# KiCad board CanardBoard.kicad_pcb (continued)
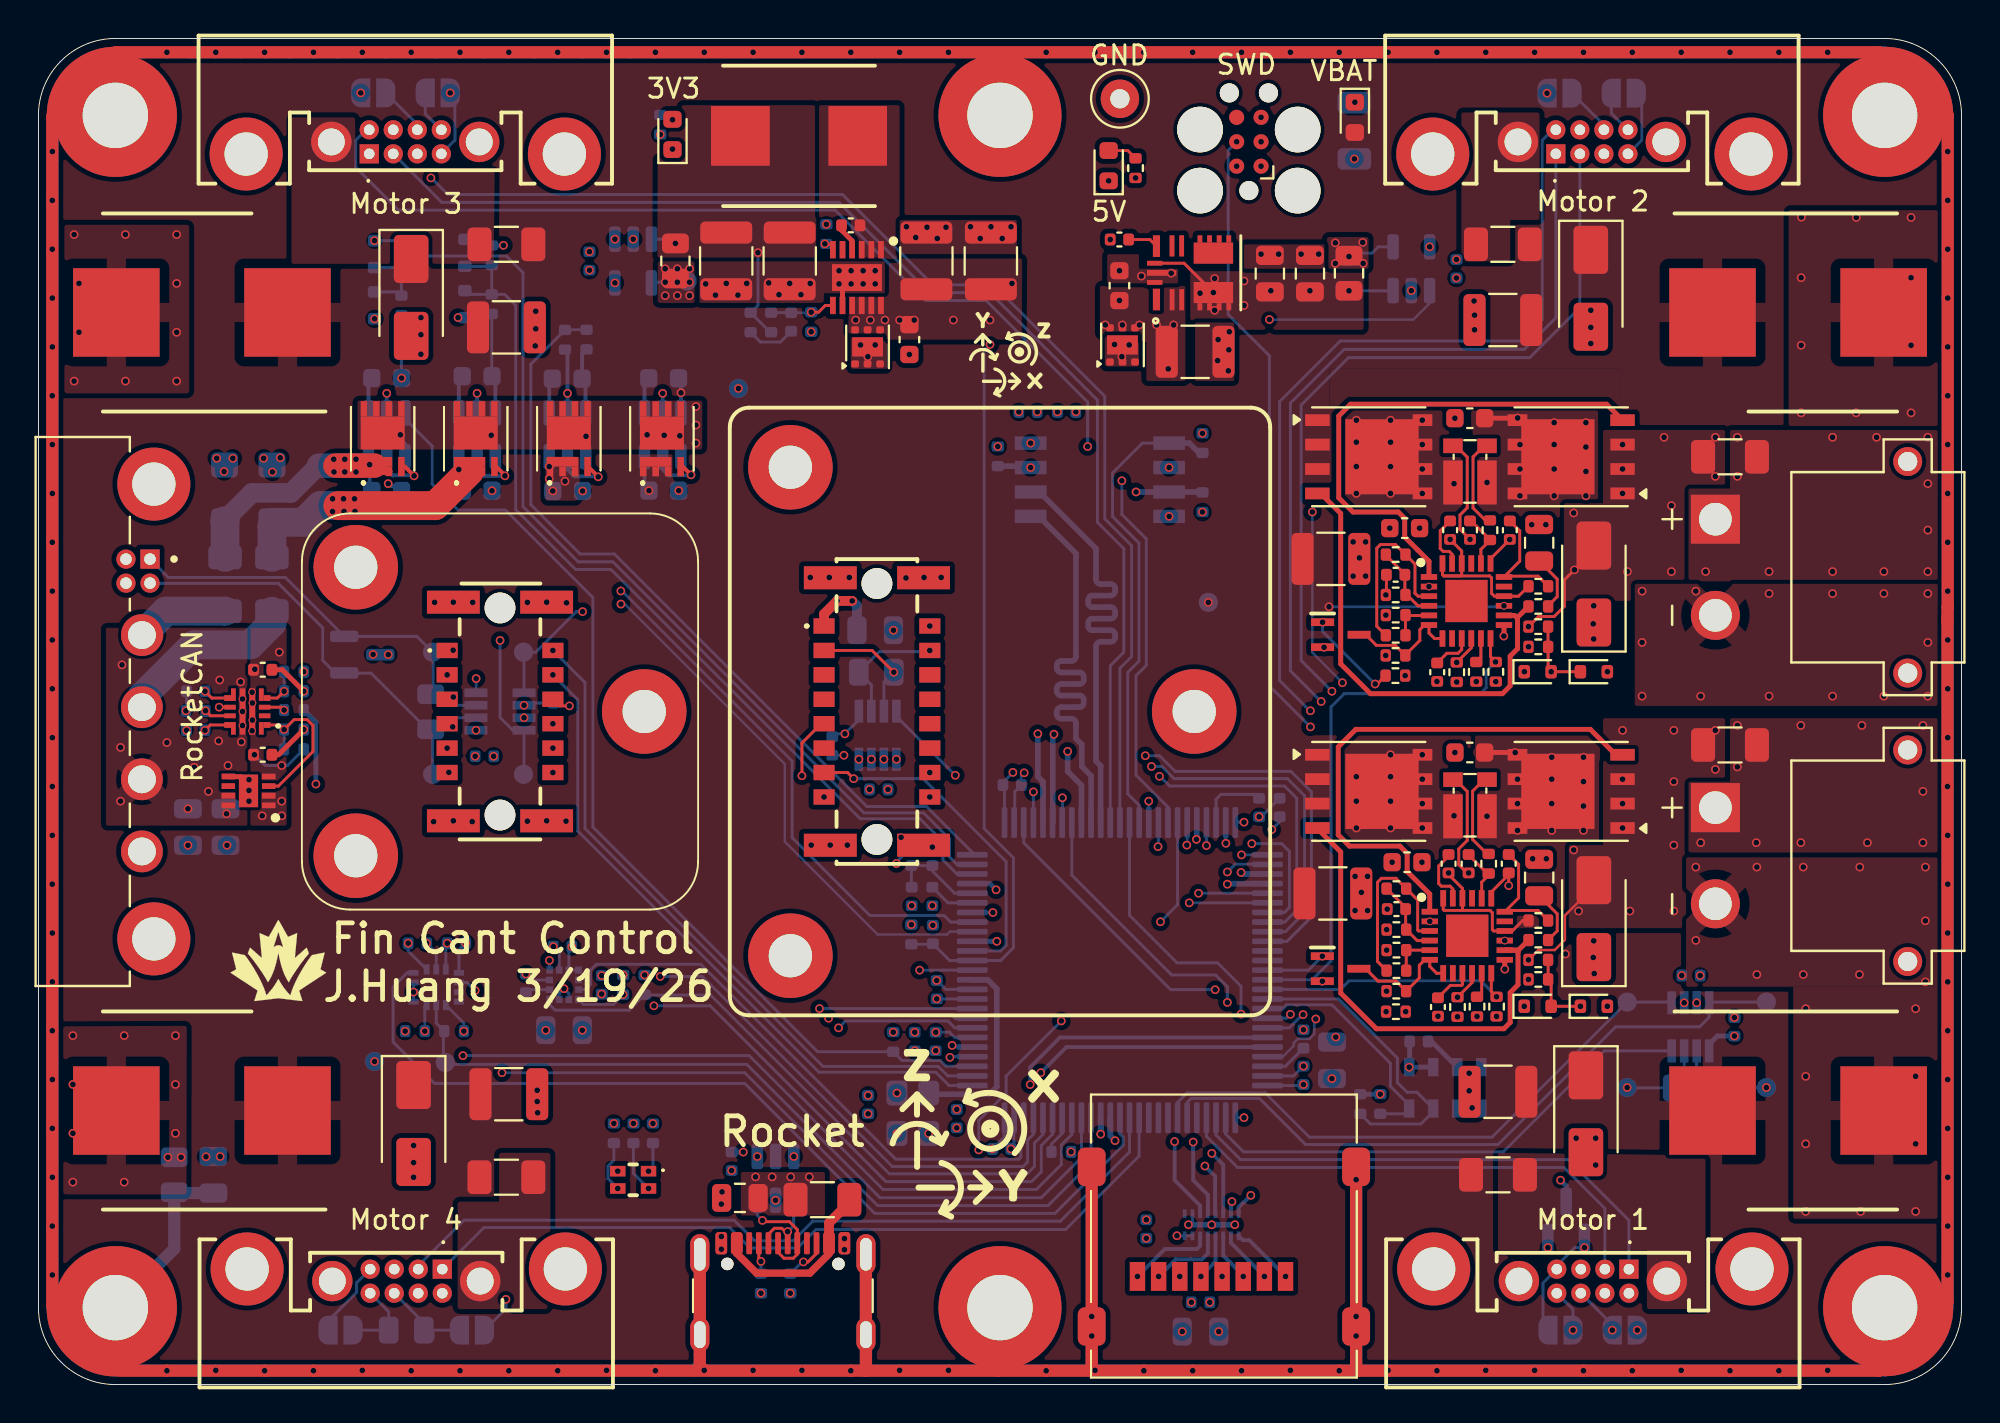
[diagram p0: board, top side]
## Library data of the parts (continued)
J3 J4 = -: MF: AMASS
J5-J8 = -: Datasheet: https://www.harwin.com/api/download/?document=https://content.harwin.com/m/e57e36e8702f475a/original/DRG-02904-Technical-Drawing-Datasheet-G125-MHX0805M4-1AD1ADP-pdf.pdf; Height: 5.5; Mouser Part Number: 855-GMH1085M41AD1ADP; Mouser Price/Stock: https://www.mouser.co.uk/ProductDetail/Harwin/G125-MH10805M4-1AD1ADP?qs=XeJtXLiO41Rq1iCnqnOn8g%3D%3D; Manufacturer_Name: Harwin; Manufacturer_Part_Number: G125-MH10805M4-1AD1ADP
J9 = -: Datasheet: https://www.usb.org/sites/default/files/documents/usb_type-c.zip; Description: USB 2.0-only 16P Type-C Receptacle connector; LCSC Part #: C165948; ki_fp_filters: USB*C*Receptacle*
J10 = -: Datasheet: https://content.harwin.com/m/91a65d72bc24bdea/original/DRG-03150-Technical-Drawing-Datasheet-G125-MH1XXM4-XXAD000P-pdf.pdf; Description: 4+4 Pos. Male Horizontal Throughboard Conn. Screw-Lok Board Mount
J11 = -: Datasheet: http://www.phoenixcontact.com/gb/produkte/1374028; Height: 6.25; Mouser Part Number: 651-1374028; Mouser Price/Stock: https://www.mouser.co.uk/ProductDetail/Phoenix-Contact/1374028?qs=2SLPxufLcgDRo13N6W0UHQ%3D%3D; Manufacturer_Name: Phoenix Contact; Manufacturer_Part_Number: 1374028
J12 = -: Datasheet: http://www.phoenixcontact.com/gb/produkte/1374027; Height: 6.25; Mouser Part Number: 651-1374027; Mouser Price/Stock: https://www.mouser.co.uk/ProductDetail/Phoenix-Contact/1374027?qs=2SLPxufLcgCua31QCG%252BC9g%3D%3D; Manufacturer_Name: Phoenix Contact
JP1-JP8 = -: Description: Solder Jumper, 2-pole, open; ki_fp_filters: SolderJumper*Open*
L1 = -: Datasheet: https://bourns.com/docs/Product-Datasheets/SRP7050WA.pdf; Description: Inductor, small symbol; MPN: SRP7050WA-4R7M; LCSC Part #: C19947706; ki_fp_filters: Choke_* *Coil* Inductor_* L_*
Q1-Q4 = -: Datasheet: https://www.vishay.com/docs/75255/sir626dp.pdf
Q5 Q6 = -: Datasheet: https://www.onsemi.com/pub/Collateral/2N7002W-FCS-D.PDF; Description: ESD Protected; Low RDS(on); Small Footprint Surface Mount Package; RoHS Compliant; Manufacturer_Name: onsemi; LCSC Part #: C232391
Q7-Q10 = -: Datasheet: https://jlcpcb.com/api/file/downloadByFileSystemAccessId/8602876373081858048; LCSC Part #: C7543835
R1 R2 R8 R14 R16 R33 R34 R37 R38 R41 R42 R47-R49 = -: Description: Resistor, small US symbol; LCSC Part #: C144807; ki_fp_filters: R_*
R3 R72 R73 = -: Description: Resistor, small US symbol; LCSC Part #: C226996; ki_fp_filters: R_*
R4 R5 R27 R28 = -: Description: Resistor, small US symbol; LCSC Part #: C144808; ki_fp_filters: R_*
R6 R7 R22 R24 = -: Description: Resistor, small US symbol; LCSC Part #: C144773; ki_fp_filters: R_*
R9 = -: Description: Resistor, small US symbol; LCSC Part #: C229719; ki_fp_filters: R_*
R13 R15 R17 R19 R21 R23 R35 R36 R39 R40 R50 R52 R54-R56 R59 R61 R67 = -: Description: Resistor, small US symbol; LCSC Part #: C144809; ki_fp_filters: R_*
R18 R20 = -: Description: Resistor, small US symbol; LCSC Part #: C227034; ki_fp_filters: R_*
R25 R26 = -: Description: Resistor, small US symbol; LCSC Part #: C226739; ki_fp_filters: R_*
R29 R30 = -: Datasheet: https://www.vishay.com/docs/30332/wskw0612.pdf; Description: Shunt resistor with Kelvin connections, US symbol; MPN: WSKW06121L000FEA; LCSC Part #: C1517439; ki_fp_filters: R_*Shunt*
R31 R32 = -: Description: Resistor, small US symbol; LCSC Part #: C144805; ki_fp_filters: R_*
R43 R44 R65 = -: Description: Resistor, small US symbol; LCSC Part #: C727984; ki_fp_filters: R_*
R45 R46 = -: Description: Resistor, small US symbol; LCSC Part #: C144745; ki_fp_filters: R_*
R51 R53 R68 = -: Description: Resistor, small US symbol; LCSC Part #: C226835; ki_fp_filters: R_*
R57 = -: Description: Resistor, small US symbol; LCSC Part #: C227006; ki_fp_filters: R_*
R58 = -: Description: Resistor, small US symbol; LCSC Part #: C416567; ki_fp_filters: R_*
R60 R66 = -: Description: Resistor, small US symbol; ki_fp_filters: R_*
R62 = -: Description: Resistor, small US symbol; LCSC Part #: C278596; ki_fp_filters: R_*
R63 R64 R69 R74 R75 = -: Description: Resistor, small US symbol; LCSC Part #: C144789; ki_fp_filters: R_*
R70 R71 = -: Description: Resistor, small US symbol; LCSC Part #: C728267; ki_fp_filters: R_*
R76 = -: Description: Resistor, small US symbol; LCSC Part #: C228604; ki_fp_filters: R_*
TP1-TP15 = -: Description: test point; ki_fp_filters: Pin* Test*
U1 = -: Datasheet: https://www.st.com/resource/en/datasheet/stm32h733vg.pdf; Description: STMicroelectronics Arm Cortex-M7 MCU, 1024KB flash, 564KB RAM, 550 MHz, 1.71-3.6V, 82 GPIO, LQFP100; ki_fp_filters: LQFP*14x14mm*P0.5mm*
U2 = -: Datasheet: https://www.te.com/commerce/DocumentDelivery/DDEController?Action=srchrtrv&DocNm=MS5611-01BA03&DocType=Data+Sheet&DocLang=English; Description: Barometric pressure sensor, 10cm resolution, 10 to 1200 mbar, I2C and SPI interface up to 20MHz, LGA-8; ki_fp_filters: LGA*3x5mm*P1.25mm*
U3 U23 = -: Datasheet: https://www.ti.com/lit/ds/symlink/tvs3300.pdf; Description: Flat-Clamp Surge Protection Device. 33Vrwm, WSON-6; LCSC Part #: C2863624; ki_fp_filters: WSON*1EP*2x2mm*P0.65mm*EP1x1.6mm*
U4 U5 = -: Datasheet: https://www.ti.com/lit/ds/symlink/lm74910-q1.pdf?ts=1695369238693&ref_url=https%253A%252F%252Fwww.ti.com%252Fproduct%252FLM74910-Q1%253FkeyMatch%253DLM74910QRGERQ1%2526tisearch%253Dsearch-everything%2526usecase%253DOPN-ALT; Description: Power Management Specialized - PMIC Automotive ideal diode with circuit breaker, 200-kHz ACS and under- and overvoltage protection; Manufacturer_Name: Texas Instruments; Manufacturer_Part_Number: LM74910QRGERQ1
U6 U13 U16 = -: Datasheet: https://www.ti.com/lit/gpn/tcan3413; Height: 1.1; Mouser Part Number: 595-TCAN3413DDFR; Mouser Price/Stock: https://www.mouser.co.uk/ProductDetail/Texas-Instruments/TCAN3413DDFR?qs=HFfMDpzxxd24T7a%252BDNN43w%3D%3D; Manufacturer_Name: Texas Instruments
U7 = -: Datasheet: https://www.st.com/resource/en/datasheet/usblc6-2.pdf; Description: Very low capacitance ESD protection diode, 2 data-line, SOT-23-6; LCSC Part #: C7519; ki_fp_filters: SOT?23*
U8 = -: Datasheet: https://www.mxic.com.tw/Lists/Datasheet/Attachments/8906/MX25L25645G,%203V,%20256Mb,%20v2.0.pdf; Height: 2.16; Mouser Part Number: 95-25L25645GM2I0TR; Mouser Price/Stock: https://www.mouser.co.uk/ProductDetail/Macronix/MX25L25645GM2I-08G-TR?qs=mELouGlnn3ePrySf7raZ7g%3D%3D; Manufacturer_Name: Macronix; Manufacturer_Part_Number: MX25L25645GM2I-08G-TR
U9-U12 = -: Datasheet: http://www.ti.com/lit/gpn/LM74700-Q1; Description: Low Iq reverse battery protection ideal diode controller, SOT-23-6; ki_fp_filters: SOT?23*
U14 = -: Datasheet: https://www.ti.com/lit/ds/symlink/tps25947.pdf?ts=1770099009011&ref_url=https%253A%252F%252Fwww.ti.com%252Fproduct%252FTPS25947%253FkeyMatch%253DTPS25947%2526tisearch%253Duniversal_search%2526usecase%253DGPN-ALT; Height: 1; Mouser Part Number: 595-TPS25210LRPWR; Mouser Price/Stock: https://www.mouser.co.uk/ProductDetail/Texas-Instruments/TPS25210LRPWR?qs=QNEnbhJQKvbqyY4uolLfgw%3D%3D; Manufacturer_Name: Texas Instruments; Manufacturer_Part_Number: TPS25210LRPWR; LCSC Part #: C3662789
U15 = -: Datasheet: https://www.st.com/resource/en/datasheet/lsm303agr.pdf
U17 = -: Datasheet: https://www.ti.com/lit/ds/symlink/lmr51460-q1.pdf?ts=1731570203033; LCSC Part #: C41802645
U18 = -: Datasheet: https://www.ti.com/lit/gpn/tpsm33606-q1; ki_fp_filters: RDN0011A_TEX
U19 U20 = -: LCSC Part #: C122882
U21 = -: Datasheet: https://mm.digikey.com/Volume0/opasdata/d220001/medias/docus/6621/enDM00983034.pdf?_gl=1*1v5xhdh*_up*MQ..*_gs*MQ..&gclid=Cj0KCQjwgpzIBhCOARIsABZm7vEsxUM6jH7NSHftoW1PrpktXheKX9B3-DQ0JgPwKWKBZiCby1HjBsEaAmwGEALw_wcB&gclsrc=aw.ds&gbraid=0AAAAADrbLlju8MO68aCcF7i-slgdbl9CU; ki_fp_filters: LGA-14L_2p5X3p0X0p86_STM LGA-14L_2p5X3p0X0p86_STM-M LGA-14L_2p5X3p0X0p86_STM-L
U22 = -: Datasheet: https://www.st.com/resource/en/datasheet/emif06-msd02n16.pdf; LCSC Part #: C5267594
U24 = -: Datasheet: http://www.ti.com/lit/gpn/tps22975; Description: 5.7V, 6A, 16m Load Switch with Adjustable Rise Time & Optional QOD for Cost-Conscious Applications
X1 = -: Datasheet: http://www.abracon.com/Oscillators/ASV.pdf; Description: 3.3V CMOS SMD Crystal Clock Oscillator, Abracon; LCSC Part #: C437121; ki_fp_filters: Oscillator*SMD*Abracon*ASE*3.2x2.5mm*

## Footprints (pads in the part's own frame, mm; a bottom-side part is the same pattern mirrored in y, then rotated)
2N7002W
  rect 1.2x0.4 smd: 1(-0.95,0.65) 2(-0.95,-0.65) 3(0.95,0)
1374027
  round 1.6 hole 1.6 unplated: (-5.385,0) (5.385,0)
  rect 0.8x1.1 smd: A1(-3.175,-2.75) A2(-1.905,-2.75) A3(-0.635,-2.75) A4(0.635,-2.75) A5(1.905,-2.75) A6(3.175,-2.75) B1(-3.175,2.75) B2(-1.905,2.75) B3(-0.635,2.75) B4(0.635,2.75) B5(1.905,2.75) B6(3.175,2.75)
  round 4.4 hole 2.25: MH1(0,7.5) MH2(-7.5,-7.5) MH3(7.5,-7.5)
  rect 1.2x2.75 smd: MP1(-5.685,-2.425) MP2(5.685,-2.425) MP3(-5.685,2.425) MP4(5.685,2.425)
A786MW227M1HLAV011
  rect 4.5x4.6 smd: 1(-4.45,0) 2(4.45,0)
AMASS_XT30PW-M
  round 2.55 hole 1.7: N(2.5,-10)
  rect 2.55x2.55 hole 1.7: P(-2.5,-10)
  round 1.508 hole 1: S1(5.5,0) S2(-5.5,0)
C_0402_1005Metric
  rrect 0.56x0.62 smd: 1(-0.48,0) 2(0.48,0)
C_0603_1608Metric
  rrect 0.9x0.95 smd: 1(-0.775,0) 2(0.775,0)
C_0805_2012Metric
  rrect 1x1.45 smd: 1(-0.95,0) 2(0.95,0)
C_1210_3225Metric
  rrect 1.15x2.7 smd: 1(-1.475,0) 2(1.475,0)
connector_Harwin_G125-MH104M4-04AD000P
  round 3.8 hole 2.25: (-11.825,3.7) (11.825,3.7)
  rect 1x1 hole 0.6: 1(-7.925,3.5)
  round 1 hole 0.6: 2(-6.675,3.5) 3(-7.925,2.25) 4(-6.675,2.25)
  round 2.175 hole 1.45: A(-3.975,3.08) B(-0.225,3.08) C(3.525,3.08) D(7.275,3.08)
D_SMA
  rrect 2.5x1.8 smd: 1(-2,0) 2(2,0)
D_SMF
  rrect 1.3x1.4 smd: 1(-1.45,0) 2(1.45,0)
D_SOD-523
  rrect 0.6x0.7 smd: 1(-0.7,0) 2(0.7,0)
EAST1616RGBB2
  rect 0.8x0.55 smd: 1(-0.8,-0.45) 2(-0.8,0.45) 3(0.8,0.45) 4(0.8,-0.45)
EMIF06MSD02N16
  rect 0.2x0.45 smd: 1(-1.4,-0.375) 2(-1,-0.375) 3(-0.6,-0.375) 4(-0.2,-0.375) 5(0.2,-0.375) 6(0.6,-0.375) 7(1,-0.375) 8(1.4,-0.375) 9(1.4,0.775) 10(1,0.775) 11(0.6,0.775) 12(0.2,0.775) 13(-0.2,0.775) 14(-0.6,0.775) 15(-1,0.775) 16(-1.4,0.775)
  rect 2.8x0.3 smd: 17(0,0.2)
Fuse_1206_3216Metric
  rrect 1.25x1.75 smd: 1(-1.4,0) 2(1.4,0)
G125MH10805M41AD1ADP
  rect 1x1 hole 0.55: 1(0,0)
  round 1 hole 0.55: 2(1.25,0) 3(2.5,0) 4(3.75,0) 5(0,1.25) 6(1.25,1.25) 7(2.5,1.25) 8(3.75,1.25)
  round 2.1 hole 1.4: 9(-1.97,0.62) 10(5.72,0.62)
  round 3.8 hole 2.25: 11(-6.4,-0.01) 12(10.15,-0.01)
Infineon-PG-TSDSON-8
  rect 0.34x0.8 smd: D(-0.975,1.55) D(-0.325,1.55) D(0.325,1.55) D(0.975,1.55)
  rect 2.29x1.71 smd: D(0,0.295)
  rect 0.34x1 smd: G(0.975,-1.45)
  rect 0.34x0.5 smd: S(-0.975,-1.7) S(-0.325,-1.7) S(0.325,-1.7)
  rect 1.64x0.5 smd: S(-0.325,-1.2)
LED_0603_1608Metric
  rrect 0.875x0.95 smd: 1(-0.787,0) 2(0.787,0)
LGA-8_3x5mm_P1.25mm
  rect 0.95x0.55 smd: 1(-1.075,1.875) 2(-1.075,0.625) 3(-1.075,-0.625) 4(-1.075,-1.875) 5(1.075,-1.875) 6(1.075,-0.625) 7(1.075,0.625) 8(1.075,1.875)
LGA-12_2x2mm_P0.5mm
  rect 0.375x0.35 smd: 1(-0.762,0.75) 2(-0.762,0.25) 3(-0.762,-0.25) 4(-0.762,-0.75) 7(0.762,-0.75) 8(0.762,-0.25) 9(0.762,0.25) 10(0.762,0.75)
  rect 0.35x0.375 smd: 5(-0.25,-0.762) 6(0.25,-0.762) 11(0.25,0.762) 12(-0.25,0.762)
LM749x0
  rect 0.85x0.3 smd: 1(-1.95,1.25) 2(-1.95,0.75) 3(-1.95,0.25) 4(-1.95,-0.25) 5(-1.95,-0.75) 6(-1.95,-1.25) 13(1.95,-1.25) 14(1.95,-0.75) 15(1.95,-0.25) 16(1.95,0.25) 17(1.95,0.75) 18(1.95,1.25)
  rect 0.3x0.85 smd: 7(-1.25,-1.95) 8(-0.75,-1.95) 9(-0.25,-1.95) 10(0.25,-1.95) 11(0.75,-1.95) 12(1.25,-1.95) 19(1.25,1.95) 20(0.75,1.95) 21(0.25,1.95) 22(-0.25,1.95) 23(-0.75,1.95) 24(-1.25,1.95)
  rect 2.2x2.2 smd: 25(0,0)
LMR51460
  rect 0.9x0.3 smd: 1(-1.45,1.25) 2(-1.45,0.75) 3(-1.45,0.25) 4(-1.45,-0.25) 5(-1.45,-0.75) 6(-1.45,-1.25) 7(1.45,-1.25) 8(1.45,-0.75) 9(1.45,-0.25) 10(1.45,0.25) 11(1.45,0.75) 12(1.45,1.25)
  rect 1.4x2.6 smd: 13(0,0)
LQFP-100_14x14mm_P0.5mm
  rrect 1.6x0.3 smd: 1(-7.675,6) 2(-7.675,5.5) 3(-7.675,5) 4(-7.675,4.5) 5(-7.675,4) 6(-7.675,3.5) 7(-7.675,3) 8(-7.675,2.5) 9(-7.675,2) 10(-7.675,1.5) 11(-7.675,1) 12(-7.675,0.5) 13(-7.675,0) 14(-7.675,-0.5) 15(-7.675,-1) 16(-7.675,-1.5) 17(-7.675,-2) 18(-7.675,-2.5) 19(-7.675,-3) 20(-7.675,-3.5) 21(-7.675,-4) 22(-7.675,-4.5) 23(-7.675,-5) 24(-7.675,-5.5) 25(-7.675,-6) 51(7.675,-6) 52(7.675,-5.5) 53(7.675,-5) 54(7.675,-4.5) 55(7.675,-4) 56(7.675,-3.5) 57(7.675,-3) 58(7.675,-2.5) 59(7.675,-2) 60(7.675,-1.5) 61(7.675,-1) 62(7.675,-0.5) 63(7.675,0) 64(7.675,0.5) 65(7.675,1) 66(7.675,1.5) 67(7.675,2) 68(7.675,2.5) 69(7.675,3) 70(7.675,3.5) 71(7.675,4) 72(7.675,4.5) 73(7.675,5) 74(7.675,5.5) 75(7.675,6)
  rrect 0.3x1.6 smd: 26(-6,-7.675) 27(-5.5,-7.675) 28(-5,-7.675) 29(-4.5,-7.675) 30(-4,-7.675) 31(-3.5,-7.675) 32(-3,-7.675) 33(-2.5,-7.675) 34(-2,-7.675) 35(-1.5,-7.675) 36(-1,-7.675) 37(-0.5,-7.675) 38(0,-7.675) 39(0.5,-7.675) 40(1,-7.675) 41(1.5,-7.675) 42(2,-7.675) 43(2.5,-7.675) 44(3,-7.675) 45(3.5,-7.675) 46(4,-7.675) 47(4.5,-7.675) 48(5,-7.675) 49(5.5,-7.675) 50(6,-7.675) 76(6,7.675) 77(5.5,7.675) 78(5,7.675) 79(4.5,7.675) 80(4,7.675) 81(3.5,7.675) 82(3,7.675) 83(2.5,7.675) 84(2,7.675) 85(1.5,7.675) 86(1,7.675) 87(0.5,7.675) 88(0,7.675) 89(-0.5,7.675) 90(-1,7.675) 91(-1.5,7.675) 92(-2,7.675) 93(-2.5,7.675) 94(-3,7.675) 95(-3.5,7.675) 96(-4,7.675) 97(-4.5,7.675) 98(-5,7.675) 99(-5.5,7.675) 100(-6,7.675)
LSM6DSV32XTR
  rect 0.533x0.305 smd: 1(-1.181,0.75) 2(-1.181,0.25) 3(-1.181,-0.25) 4(-1.181,-0.75) 8(1.181,-0.75) 9(1.181,-0.25) 10(1.181,0.25) 11(1.181,0.75)
  rect 0.305x0.533 smd: 5(-0.5,-0.927) 6(0,-0.927) 7(0.5,-0.927) 12(0.5,0.927) 13(0,0.927) 14(-0.5,0.927)
microSD_HC_Molex_47219-2001
  rect 0.8x1.5 smd: 1(-3.205,2.1) 2(-2.105,2.1) 3(-1.005,2.1) 4(0.095,2.1) 5(1.195,2.1) 6(2.295,2.1) 7(3.395,2.1) 8(4.495,2.1)
  rrect 1.45x2 smd: 9(-6.875,4.7) 9(-6.875,-3.6) 9(6.875,4.7) 9(6.875,-3.6)
MountingHole_3.2mm_M3_Pad
  round 6.4 hole 3.4: 1(0,0)
Movella-1374028
  round 1.6 hole 1.6 unplated: (-6.655,-6.4) (6.655,-6.4)
  rect 0.8x1.1 smd: A1(-4.445,-9.15) A2(-3.175,-9.15) A3(-1.905,-9.15) A4(-0.635,-9.15) A5(0.635,-9.15) A6(1.905,-9.15) A7(3.175,-9.15) A8(4.445,-9.15) B1(-4.445,-3.65) B2(-3.175,-3.65) B3(-1.905,-3.65) B4(-0.635,-3.65) B5(0.635,-3.65) B6(1.905,-3.65) B7(3.175,-3.65) B8(4.445,-3.65)
  round 4.4 hole 2.25: MH1(0,10.1) MH2(-12.7,-10.9) MH3(12.7,-10.9)
  rect 1.2x2.75 smd: MP1(-6.955,-3.975) MP2(-6.955,-8.825) MP3(6.955,-8.825) MP4(6.955,-3.975)
MX25L25645GM2I-08G
  rect 1.65x0.7 smd: 1(-3.6,1.905) 2(-3.6,0.635) 3(-3.6,-0.635) 4(-3.6,-1.905) 5(3.6,-1.905) 6(3.6,-0.635) 7(3.6,0.635) 8(3.6,1.905)
Oscillator_SMD_Abracon_ASE-4Pin_3.2x2.5mm
  rrect 1.3x1.1 smd: 1(-1.05,-0.825) 2(1.05,-0.825) 3(1.05,0.825) 4(-1.05,0.825)
PowerPAK_SO-8_Single
  rect 3.81x3.91 smd: D(0.69,0)
  rect 1.02x0.61 smd: D(2.795,1.905) D(2.795,0.635) D(2.795,-0.635) D(2.795,-1.905)
  rect 1.27x0.61 smd: G(-2.67,-1.905) S(-2.67,1.905) S(-2.67,0.635) S(-2.67,-0.635)
R_0402_1005Metric
  rrect 0.54x0.64 smd: 1(-0.51,0) 2(0.51,0)
R_0805_2012Metric
  rrect 1.025x1.4 smd: 1(-0.912,0) 2(0.912,0)
R_1206_3216Metric
  rrect 1.125x1.75 smd: 1(-1.462,0) 2(1.462,0)
R_Shunt_Vishay_WSKW0612
  rect 2.287x1.01 smd: 1(-0.572,0.885) 4(-0.572,-0.885)
  rect 0.762x1.01 smd: 2(1.334,0.885) 3(1.334,-0.885)
SolderJumper-2_P1.3mm_Open_RoundedPad1.0x1.5mm
  custom 1x1.5 smd: 1(-0.65,0) 2(0.65,0)
SOT-23
  rrect 1.475x0.6 smd: 1(-0.938,0.95) 2(-0.938,-0.95) 3(0.938,0)
SOT-23-5
  rrect 1.325x0.6 smd: 1(-1.137,0.95) 2(-1.137,0) 3(-1.137,-0.95) 4(1.137,-0.95) 5(1.137,0.95)
SOT-23-6
  rrect 1.325x0.6 smd: 1(-1.137,0.95) 2(-1.137,0) 3(-1.137,-0.95) 4(1.137,-0.95) 5(1.137,0) 6(1.137,0.95)
SRP7050WA
  rect 3.05x3.1 smd: 1(-3.05,0) 2(3.05,0)
Tag-Connect_TC2030-IDC-FP_2x03_P1.27mm_Vertical
  round 2.375 hole 2.375 unplated: (-2.54,2.54) (-2.54,-2.54) (0.635,2.54) (0.635,-2.54)
  round 0.991 hole 0.991 unplated: (-2.54,0) (2.54,1.016) (2.54,-1.016)
  round 0.787 smd: 1(-1.27,-0.635) 2(-1.27,0.635) 3(0,-0.635) 4(0,0.635) 5(1.27,-0.635) 6(1.27,0.635)
TCAN3413DDFR
  rect 1.2x0.45 smd: 1(-1.25,0.975) 2(-1.25,0.325) 3(-1.25,-0.325) 4(-1.25,-0.975) 5(1.25,-0.975) 6(1.25,-0.325) 7(1.25,0.325) 8(1.25,0.975)
TestPoint_Loop_D2.50mm_Drill1.0mm
  round 2 hole 1: 1(0,0)
TestPoint_Pad_D1.0mm
  round 1 smd: 1(0,0)
TPS22975DSGR
  rect 0.7x0.3 smd: 1(-1.05,0.75) 2(-1.05,0.25) 3(-1.05,-0.25) 4(-1.05,-0.75) 5(1.05,-0.75) 6(1.05,-0.25) 7(1.05,0.25) 8(1.05,0.75)
  rect 1x1.7 smd: 9(0,0)
TPS25947xx
  rect 0.35x0.3 smd: 1(-1.025,0.7) 4(-1.025,-0.7) 7(1.025,-0.7) 10(1.025,0.7)
  rect 0.25x0.65 smd: 1(-0.725,0.875) 4(-0.725,-0.875) 7(0.725,-0.875) 10(0.725,0.875)
  rect 0.6x0.25 smd: 2(-0.9,0.225) 3(-0.9,-0.225) 8(0.9,-0.225) 9(0.9,0.225)
  rect 0.3x2.4 smd: 5(-0.25,0) 6(0.25,0)
TPSM33606S3QRDNRQ1
  rect 1.125x0.37 smd: 1(-1.387,1.96) 8(1.387,1.96)
  rect 1.1x0.25 smd: 2(-1.4,1.15) 3(-1.4,0.65) 6(1.4,0.65) 7(1.4,1.15)
  rect 0.375x0.25 smd: 4(-1.762,-0.3) 4(-1.762,-0.8) 4(-1.762,-1.3) 4(-1.762,-1.8) 5(1.762,-0.3) 5(1.762,-0.8) 5(1.762,-1.3) 5(1.762,-1.8)
  rect 1.1x2.05 smd: 4(-1.025,-1) 5(1.025,-1)
  rect 0.25x0.8 smd: 9(0.5,2.05) 11(-0.5,2.05)
  rect 0.3x1.52 smd: 10(0,1.69)
USB_C_Receptacle_GCT_USB4105-xx-A_16P_TopMnt_Horizontal
  round 0.65 hole 0.65 unplated: (-2.89,2.605) (2.89,2.605)
  rrect 0.6x1.15 smd: A1(-3.2,3.68) A4(-2.4,3.68) A9(2.4,3.68) A12(3.2,3.68) B1(3.2,3.68) B4(2.4,3.68) B9(-2.4,3.68) B12(-3.2,3.68)
  rrect 0.3x1.15 smd: A5(-1.25,3.68) A6(-0.25,3.68) A7(0.25,3.68) A8(1.25,3.68) B5(1.75,3.68) B6(0.75,3.68) B7(-0.75,3.68) B8(-1.75,3.68)
  oval 1x2.1 hole 0.6x1.7: S1(-4.32,3.105) S1(4.32,3.105)
  oval 1x1.8 hole 0.6x1.4: S1(-4.32,-1.075) S1(4.32,-1.075)
WSON-6-1EP_2x2mm_P0.65mm_EP1x1.6mm
  rrect 0.81x0.64 smd: (0,0.4) (0,-0.4)
  rrect 0.375x0.4 smd: 1(-0.887,0.65) 2(-0.887,0) 3(-0.887,-0.65) 4(0.887,-0.65) 5(0.887,0) 6(0.887,0.65)
  rect 1x1.6 smd: 7(0,0)

## Nets
+3V3: C5.1 C6.1 C7.1 C8.1 C9.1 C10.1 C11.1 C12.1 C15.1 C16.1 C17.1 C18.1 C37.1 C40.1 C49.1 C50.1 C55.1 C57.1 C61.2 C62.2 C63.2 C66.1 C67.1 C81.2 C82.2 C83.1 C84.1 C92.1 C93.1 D1.4 D4.1 D6.1 D13.1 D15.1 FB1.2 J1.1 J2.4 J12.A3 J12.B4 R1.1 R6.1 R7.1 R8.1 R33.2 R34.2 R47.1 R48.1 R49.1 R59.1 R63.2 R64.2 R70.1 R72.1 R74.1 R75.1 TP9.1 U1.6 U1.11 U1.27 U1.50 U1.75 U1.100 U2.1 U2.2 U6.3 U6.5 U8.8 U13.3 U13.5 U15.2 U15.3 U15.9 U15.10 U16.3 U16.5 U19.4 U19.5 U20.5 U21.5 U21.8 U21.12 U22.15 U22.16 X1.1 X1.4
+5V: C60.1 C65.1 C91.1 J11.A1 J12.A2 J12.B5 R61.1 R71.1 R73.1 TP10.1 U14.5 U20.4 U24.1 U24.2 U24.4
+5V_USB: C47.1 C48.1 C53.1 C87.1 F7.1 Q9.S R54.1 U7.5 U11.3 U11.6
+12V_RKT: C52.1 C86.1 D18.2 F9.2 Q8.S R52.1 U10.3 U10.6
+VBAT: C35.1 C36.1 C38.1 C39.1 C41.1 C42.1 C43.1 C44.1 C45.1 C46.1 C54.1 C88.1 D8.1 D9.1 D11.1 D12.1 D22.2 F3.2 F4.2 F5.2 F6.2 Q3.S Q4.S Q10.S TP11.1 U4.15 U5.15 U12.3 U12.6
/Processor/VDDA: C13.1 C14.1 FB1.1 U1.21
GND: C1.2 C2.1 C3.2 C4.1 C5.2 C6.2 C7.2 C8.2 C9.2 C10.2 C11.2 C12.2 C13.2 C14.2 C15.2 C16.2 C17.2 C18.2 C19.2 C20.2 C21.2 C22.2 C25.2 C26.2 C31.2 C32.2 C33.2 C34.2 C35.2 C36.2 C37.2 C38.2 C39.2 C40.2 C41.2 C42.2 C43.2 C44.2 C45.2 C46.2 C47.2 C48.2 C49.2 C50.2 C55.2 C56.2 C57.2 C58.2 C59.2 C60.2 C61.1 C62.1 C63.1 C64.1 C65.2 C66.2 C67.2 C68.1 C69.1 C70.1 C71.1 C72.1 C74.1 C76.1 C77.1 C78.1 C79.1 C81.1 C82.1 C83.2 C84.2 C85.2 C86.2 C87.2 C88.2 C89.2 C90.2 C91.2 C92.2 C93.2 D2.1 D3.1 D5.2 D7.2 D8.2 D9.2 D10.3 D11.2 D12.2 D14.2 D16.2 D17.3 D18.1 D19.1 D20.1 D21.1 J1.5 J2.6 J3.N J4.N J5.6 J5.10 J6.6 J6.10 J7.6 J7.10 J8.6 J8.10 J9.A1 J9.A12 J9.B1 J9.B12 J10.D J11.B1 J11.B7 J11.MP1 J11.MP2 J11.MP3 J11.MP4 J12.A1 J12.B6 J12.MP1 J12.MP2 J12.MP3 J12.MP4 Q5.2 Q6.2 R2.2 R9.2 R14.2 R16.2 R18.2 R20.2 R22.2 R24.2 R35.2 R36.2 R37.2 R38.2 R41.1 R42.1 R45.2 R46.2 R51.1 R53.1 R55.1 R57.2 R58.2 R62.2 R66.1 R68.1 R76.2 TP13.1 U1.10 U1.19 U1.26 U1.49 U1.74 U1.99 U2.3 U2.4 U2.5 U3.1 U3.2 U3.3 U3.7 U4.13 U5.13 U6.2 U7.2 U8.4 U9.2 U10.2 U11.2 U12.2 U13.2 U14.8 U15.6 U15.8 U16.2 U17.8 U17.13 U18.10 U18.11 U19.2 U20.2 U21.1 U21.2 U21.3 U21.6 U21.7 U22.2 U22.17 U23.1 U23.2 U23.3 U23.7 U24.5 U24.9 X1.2
+VCHG: C51.1 C85.1 D19.2 F8.2 Q7.S R50.1 U9.6
+VMUX: C68.2 C69.2 C70.2 C71.2 C79.2 Q7.D Q8.D Q9.D Q10.D TP12.1 U3.4 U3.5 U3.6 U9.4 U10.4 U11.4 U12.4 U17.9 U17.10 U17.11 U17.12 U18.2 U18.3 U23.4 U23.5 U23.6
/32G IMU/IMU_INT1: U1.88 U21.4
/32G IMU/IMU_INT2: U1.91 U21.9
/32G IMU/IMU_SCL: R75.2 TP14.1 U1.92 U21.13
/32G IMU/IMU_SDA: R74.2 TP15.1 U1.93 U21.14
/AD Breakout/ADC_INT: J12.A6 U1.42
/AD Breakout/ADI_SCL: J12.A4 U1.46
/AD Breakout/ADI_SDA: J12.A5 U1.47
/AD Breakout/ADXL_INT: J12.B3 U1.45
/AD Breakout/ADXRS_ST1: J12.B2 U1.1
/AD Breakout/ADXRS_ST2: J12.B1 U1.2
/Barometer/BAR_SCL: R6.2 U1.67 U2.8
/Barometer/BAR_SDA: R7.2 U1.66 U2.7
/Flash/FLASH_CLK: U1.36 U8.6
/Flash/FLASH_CS: R47.2 U1.40 U8.1
/Flash/FLASH_IO0: U1.35 U8.5
/Flash/FLASH_IO1: U1.34 U8.2
/Flash/FLASH_IO2: R48.2 U1.31 U8.3
/Flash/FLASH_IO3: R49.2 U1.30 U8.7
/Magnetometer/INT1_MAG_ACCEL: U1.98 U15.12
/Magnetometer/INT_MAG: U1.97 U15.7
/Magnetometer/MAG_SCL: R64.1 U1.95 U15.1
/Magnetometer/MAG_SDA: R63.1 U1.96 U15.4
/Movella/M_SYNC_IN1: J11.A5 U1.13
/Movella/M_SYNC_OUT: J11.A7 U1.15
/Movella/MCAN_H: J11.A2 R65.2 U16.7
/Movella/MCAN_L: J11.B2 R65.1 U16.6
/Movella/MCAN_RX: U1.51 U16.4
/Movella/MCAN_STB: U1.57 U16.8
/Movella/MCAN_TX: U1.52 U16.1
/Movella/UART_RXD: J11.B8 U1.55
/Movella/UART_TXD: J11.A8 U1.56
/Power Input/BAT1_IN: C19.1 D2.2 F1.1 Q1.S R13.1 R39.1 U4.2
/Power Input/BAT2_IN: C20.1 D3.2 F2.1 Q2.S R15.1 R40.1 U5.2
/Power Input/BAT_FLT1: R33.1 U1.64 U4.12
/Power Input/BAT_FLT2: R34.1 U1.65 U5.12
/Power Input/ISENS_BAT1: R37.1 U1.29 U4.10
/Power Input/ISENS_BAT2: R38.1 U1.28 U5.10
/Power Input/PWR_EN: Q5.1 Q6.1 R41.2 R42.2 U1.63
/Power Input/VSENS_BAT1: D4.2 D5.1 R13.2 R14.1 U1.32
/Power Input/VSENS_BAT2: D6.2 D7.1 R15.2 R16.1 U1.33
/Power Muxing/CHG_MUX_EN: R8.2 U1.3 U9.3
/Power Muxing/VSENS_CHG: D13.2 D14.1 R50.2 R51.2 U1.24
/Power Muxing/VSENS_RKT: D15.2 D16.1 R52.2 R53.2 U1.23
/Power Muxing/VSENS_USB: R54.2 R55.2 U1.25
/Power Rails/ISENS_3V3: U1.17 U19.1
/Power Rails/ISENS_5V: U1.18 U20.1
/Processor/EN_EXT_5V: R61.2 R62.1 U1.4 U14.1 U24.3
/Processor/LED_B: R5.2 U1.9
/Processor/LED_G: R4.2 U1.8
/Processor/LED_R: R3.2 U1.7
/Processor/NRST: C1.1 J1.3 R1.2 U1.14
/Processor/PG_EXT_5V: R59.2 U1.5 U14.3
/Processor/PWM1: J6.5 U1.39
/Processor/PWM2: J5.5 U1.41
/Processor/PWM3: J8.5 U1.43
/Processor/PWM4: J7.5 U1.44
/Processor/RCAN_RX: TP7.1 U1.59 U13.4
/Processor/RCAN_STB: U1.58 U13.8
/Processor/RCAN_TX: TP8.1 U1.60 U13.1
/Processor/RCC_osc_In: U1.12 X1.3
/Processor/S_CAN_RX: TP3.1 U1.81 U6.4
/Processor/S_CAN_STB: U1.77 U6.8
/Processor/S_CAN_TX: TP4.1 U1.82 U6.1
/Processor/SD_CLK: U1.16 U22.5
/Processor/SD_CMD: U1.22 U22.6
/Processor/SD_D0: U1.53 U22.4
/Processor/SD_D1: U1.54 U22.3
/Processor/SD_D2: U1.89 U22.8
/Processor/SD_D3: U1.90 U22.7
/Processor/SERVO1_RX: J6.2 U1.79
/Processor/SERVO1_TX: J6.1 U1.78
/Processor/SERVO2_RX: J5.2 U1.69
/Processor/SERVO2_TX: J5.1 U1.68
/Processor/SERVO3_RX: J8.2 U1.37
/Processor/SERVO3_TX: J8.1 U1.38
/Processor/SERVO4_RX: J7.2 U1.87
/Processor/SERVO4_TX: J7.1 U1.86
/Processor/USB_D+: U1.71 U7.4
/Processor/USB_D-: U1.70 U7.6
/Processor/VCAP1: C2.2 U1.48
/Processor/VCAP2: C4.2 U1.73
/RocketCAN/RCAN_H: D17.2 J10.1 R60.2 TP5.1 U13.7
/RocketCAN/RCAN_L: D17.1 J10.2 R60.1 TP6.1 U13.6
/RocketCAN/RKT_5V_OUT: C56.1 C89.1 J10.C R56.1 U14.6 U24.7 U24.8
/SD_Card/CLK_CARD: J2.5 U22.12
/SD_Card/CMD_CARD: J2.3 U22.11
/SD_Card/DAT0_CARD: J2.7 U22.13
/SD_Card/DAT1_CARD: J2.8 U22.14
/SD_Card/DAT2_CARD: J2.1 U22.9
/SD_Card/DAT3_CARD: J2.2 U22.10
/Servos/CANH_4: J7.7 JP3.2 R44.1
/Servos/CANH_12: J5.3 J6.7 JP1.2 JP7.1
/Servos/CANH_23: J5.7 J8.3 JP5.1 JP7.2
/Servos/CANH_34: J7.3 J8.7 JP3.1 JP5.2
/Servos/CANL_4: J7.8 JP4.2 R44.2
/Servos/CANL_12: J5.4 J6.8 JP2.2 JP8.1
/Servos/CANL_23: J5.8 J8.4 JP6.1 JP8.2
/Servos/CANL_34: J7.4 J8.8 JP4.1 JP6.2
/Servos/S_CAN_H: D10.2 J6.3 JP1.1 R43.2 TP1.1 U6.7
/Servos/S_CAN_L: D10.1 J6.4 JP2.1 R43.1 TP2.1 U6.6
SHIELD: C90.1 H1.1 H2.1 H3.1 H4.1 H5.1 H6.1 J2.9 J9.S1 R76.1
Net-(C31-Pad1): C31.1 R31.2
Net-(C32-Pad1): C32.1 R32.2
Net-(C75-Pad2): C75.2 R69.1
Net-(D1-BK): D1.3 R5.1
Net-(D1-GK): D1.2 R4.1
Net-(D1-RK): D1.1 R3.1
Net-(D20-A): D20.2 R72.2
Net-(D21-A): D21.2 R73.2
Net-(D22-K): D22.1 R9.1
Net-(F1-Pad2): F1.2 J3.P
Net-(F2-Pad2): F2.2 J4.P
Net-(F7-Pad2): F7.2 J9.A4 J9.A9 J9.B4 J9.B9
Net-(J1-SWCLK): J1.4 U1.76
Net-(J1-SWDIO): J1.2 U1.72
Net-(J5-A1): F3.1 J5.9
Net-(J6-A1): F4.1 J6.9
Net-(J7-A1): F5.1 J7.9
Net-(J8-A1): F6.1 J8.9
Net-(J9-CC1): J9.A5 R46.1
Net-(J9-CC2): J9.B5 R45.1
Net-(J9-D+-PadA6): J9.A6 J9.B6 U7.3
Net-(J9-D--PadA7): J9.A7 J9.B7 U7.1
Net-(J10-+12V): F9.1 J10.B
Net-(J10-+CHG): F8.1 J10.A
Net-(Q3-PadD): Q3.D R29.1
Net-(Q4-PadD): Q4.D R30.1
Net-(Q5-D): Q5.3 R39.2 U4.6 U4.7
Net-(Q6-D): Q6.3 R40.2 U5.6 U5.7
Net-(R27-Pad1): R27.1 R29.3
Net-(R28-Pad1): R28.1 R30.3
Net-(U1-BOOT0): R2.1 U1.94
Net-(U1-VREF+): C3.1 U1.20
Net-(U4-C): C23.1 C25.1 Q1.D R25.1 R29.4 U4.16 U4.22 U4.24
Net-(U4-CAP): C23.2 U4.23
Net-(U4-CS+): C27.1 R27.2 U4.20
Net-(U4-CS-): C27.2 C28.2 R29.2 U4.19
Net-(U4-DGATE): Q1.G U4.1
Net-(U4-HGATE): Q3.G R31.1 U4.14
Net-(U4-ILIM): R35.1 U4.11
Net-(U4-ISCP): C28.1 R25.2 U4.18
Net-(U4-OV): R21.2 R22.1 U4.5
Net-(U4-SW): R17.1 R21.1 U4.3
Net-(U4-TMR): C33.1 U4.9
Net-(U4-UVLO): C21.1 R17.2 R18.1 U4.4
Net-(U5-C): C24.1 C26.1 Q2.D R26.1 R30.4 U5.16 U5.22 U5.24
Net-(U5-CAP): C24.2 U5.23
Net-(U5-CS+): C29.1 R28.2 U5.20
Net-(U5-CS-): C29.2 C30.2 R30.2 U5.19
Net-(U5-DGATE): Q2.G U5.1
Net-(U5-HGATE): Q4.G R32.1 U5.14
Net-(U5-ILIM): R36.1 U5.11
Net-(U5-ISCP): C30.1 R26.2 U5.18
Net-(U5-OV): R23.2 R24.1 U5.5
Net-(U5-SW): R19.1 R23.1 U5.3
Net-(U5-TMR): C34.1 U5.9
Net-(U5-UVLO): C22.1 R19.2 R20.1 U5.4
Net-(U9-GATE): Q7.G U9.5
Net-(U9-VCAP): C51.2 U9.1
Net-(U10-GATE): Q8.G U10.5
Net-(U10-VCAP): C52.2 U10.1
Net-(U11-GATE): Q9.G U11.5
Net-(U11-VCAP): C53.2 U11.1
Net-(U12-GATE): Q10.G U12.5
Net-(U12-VCAP): C54.2 U12.1
Net-(U14-DVDT): C58.1 U14.7
Net-(U14-ILM): R58.1 U14.9
Net-(U14-ITIMER): C59.1 U14.10
Net-(U14-PGTH): R56.2 R57.1 U14.4
Net-(U15-C1): C64.2 U15.5
Net-(U17-BOOT): C73.2 U17.4
Net-(U17-FB): C75.1 R67.1 R68.2 U17.7
Net-(U17-RT): R66.2 U17.6
Net-(U17-SW_1): C73.1 L1.1 U17.1 U17.2 U17.3
Net-(U18-FB): C74.2 C76.2 R70.2 U18.4 U18.9 U19.3
Net-(U18-VCC): C72.2 U18.8
Net-(U20-IN+): C77.2 C78.2 L1.2 R67.2 R69.2 R71.2 U20.3

Pads without a net: J1 6; J3 S1 S2; J4 S1 S2; J5 11 12; J6 11 12; J7 11 12; J8 11 12; J9 A8 B8; J10 3 4; J11 A3 A4 A6 B3 B4 B5 B6 MH1 MH2 MH3; J12 MH1 MH2 MH3; U1 61 62 80 83 84 85; U2 6; U4 8 17 21 25; U5 8 17 21 25; U14 2; U15 11; U17 5; U18 1 5 6 7; U21 10 11; U22 1; U24 6

## Via types
v1: diameter 0.4, hole 0.3, Top to Bottom, 12 vias
v2: diameter 0.45, hole 0.3, Top to Bottom, 851 vias

## Routing (per net, layer and track width the routed paths; a pad name or vN(x,y) marks a point on that pad's centre or on a via; arc(x,y) is an arc through that point)
+3V3: length 37.4
  Top w0.152: v2(21.58,35.75) 21.43,35.75 21.31,35.64 J12.A3
  Bottom w0.152: 46.6,21.01 46.7,21.11 ; v2(46.71,21.01) 47.17,20.55 U1.11 ; U1.50 62.26,29.25 v2(62.69,29.25) ; v2(46.66,18.32) 46.66,18.32 47.37,18.32 47.65,18.04 48.56,18.04 U1.6 ; v2(22.12,18.38) 22.12,18.8 U21.12 ; v2(59.2,7.74) 59.21,7.73 U22.16 U22.15 ; U21.5 19.23,22.55 v2(19.23,22.95) ; 50.77,29.26 50.77,30.83 C8.1 51.1,31.19 51.1,31.66 v2(51.26,31.81) ; v2(68.15,58.66) 68.33,58.84 69.34,58.84 69.67,59.16 U19.4 ; U15.10 U15.9 27.58,22.62 v2(27.73,22.77) ; U1.100 50.22,13.85 50.22,12.86 49.58,12.23 ; FB1.2 45.39,27.95 44.62,27.18 v2(44.62,27.09) ; v2(22.22,22.95) 21.86,22.6 U21.8 ; C9.1 64.54,29.27 v2(64.13,28.86) ; 41.27,33.56 41.27,33.59 41.53,33.84 v2(41.94,33.84) 41.94,33.84 42.66,34.57 U16.5 ; U15.2 27.58,20.33 v2(27.33,20.58) 27.08,20.33 U15.3 ; U1.75 65.73,15.55
  Bottom w0.203: D15.1 v2(21.82,55.48)
  Bottom w0.254: v2(69.77,15.1) 69.77,15.1 R7.1 ; v2(88.19,18.12) 87.3,18.12 86.88,17.7 U6.5 ; C16.1 71.3,16.53 v2(71.28,16.5) U2.2 ; v2(14.43,31.23) 14.43,34.44 R59.1
  vias: v2(17.47,55.42) v2(19.07,18.38) v2(22.71,32.67) v2(22.75,34.03) v2(25.25,34.67) v2(26.38,18.43) v2(26.75,34.36) v2(28.65,57.95) v2(29.29,21.27) v2(29.98,57.29) v2(30.12,11.1) v2(30.4,21.3) v2(31.52,21.3) v2(43.14,14.08) v2(43.21,30.95) v2(43.31,32.52) v2(44.45,18.33) v2(44.64,13.06) v2(45.39,23.92) v2(45.57,18.32) v2(46.29,13.06) v2(47.75,13.35) v2(49.61,12.25) v2(49.89,48.78) v2(51.59,48.96) v2(51.94,50.58) v2(52.99,50.58) v2(57.05,62.75) v2(57.61,7.61) v2(60.53,49.47) v2(60.53,45.37) v2(60.91,4.28) v2(61.38,2.75) v2(61.55,5.62) v2(63.58,63.36) v2(65.78,15.6) v2(67.26,15.91) v2(67.44,59.37) v2(67.44,58.3) v2(68.86,59.4) v2(68.88,58.3) v2(72.34,59.16) v2(73.74,58.5) v2(75.78,36.55) v2(75.82,19.14) v2(77.27,37.07) v2(77.26,19.67) v2(86.23,19.85) v2(86.41,21.27)
+5V: length 17.1
  Top w0.508: J11.A1 40.85,40.07 v2(41.53,40.75) v2(42.32,40.75)
  In3.Cu w0.203: v2(32.33,65.01) 33.4,65.01 33.86,64.55 33.86,57.9
  Bottom w0.152: U20.4 31.91,57.33 32.52,57.33 32.59,57.26 ; v2(11.23,32.75) 11.79,32.19 v2(12.65,32.19) 12.96,32.19 R61.1
  Bottom w0.508: v2(41.53,40.75) v2(42.32,40.75) 42.56,40.51 C65.1
  vias: v1(11.11,36) v1(11.12,35.44) v1(11.12,34.55) v1(11.11,34) v2(11.25,37.2) v2(11.63,29.58) v2(12.52,38.08) v2(12.65,30.34) v2(12.65,29.58) v2(21.25,36.91) v2(26.75,33.09) v2(32.59,58.02) v2(32.59,57.33) v2(32.59,56.63) v2(33.22,58.02) v2(33.22,57.33) v2(33.22,56.63) v2(33.86,58.02) v2(33.86,57.33) v2(33.86,56.63)
+5V_USB: length 53.1
  In2.Cu w1.27: 26.75,47.36 v2(26.75,46.47) 35.25,37.96 35.25,11.77 36.23,10.8 v2(40.08,10.8)
  Bottom w0.203: v2(26.75,46.47) 26.56,46.66 v2(26.56,47.1) v2(26.56,47.74) U11.6 26.56,48.91 27.28,49.63 27.82,49.63 28.46,50.27 U11.3 28.45,50.54 28.45,52.13 C53.1 28.27,53.6 R54.1
  vias: v2(27.38,46.97) v2(36.04,11.13) v2(37.29,10.8) v2(38.15,10.8) v2(39.12,10.8)
+12V_RKT: length 25.8
  Top w1.27: 20.99,46.06 Q8.S
  Top w1.5: Q8.S 20.63,45.7 15.57,45.7
  Bottom w0.152: R52.1 23.57,52.45 C52.1
  Bottom w0.203: C86.1 21.86,46.66 v2(21.86,47.58) U10.6 21.86,48.97 22.52,49.63 23.12,49.63 23.76,50.27 U10.3 23.76,52.26 C52.1
  Bottom w1.5: F9.2 12.14,44.64 12.19,44.69 ; 12.22,44.84 13.79,44.84 14.66,45.7 15.93,45.7
  vias: v2(15.29,46.06) v2(15.29,45.4) v2(15.86,46.06) v2(15.89,45.4) v2(16.43,46.06) v2(16.46,45.4)
+VBAT: length 17.1
  Top w0.254: C41.1 77.37,15.1 77.7,14.77
  In3.Cu w0.152: v1(76.25,23.09) 78.7,23.09 v2(79.4,22.39)
  Bottom w0.152: v2(67.11,40.45) 76.16,40.45 v1(76.21,40.5)
  Bottom w0.203: C54.1 33.41,52.2 v2(33.41,51.57) U12.3 33.41,50.27 ; U12.6 31.51,46.72 v2(31.75,46.49)
  vias: v2(60.83,40.68)
